# KiCad board 5x25.kicad_pcb
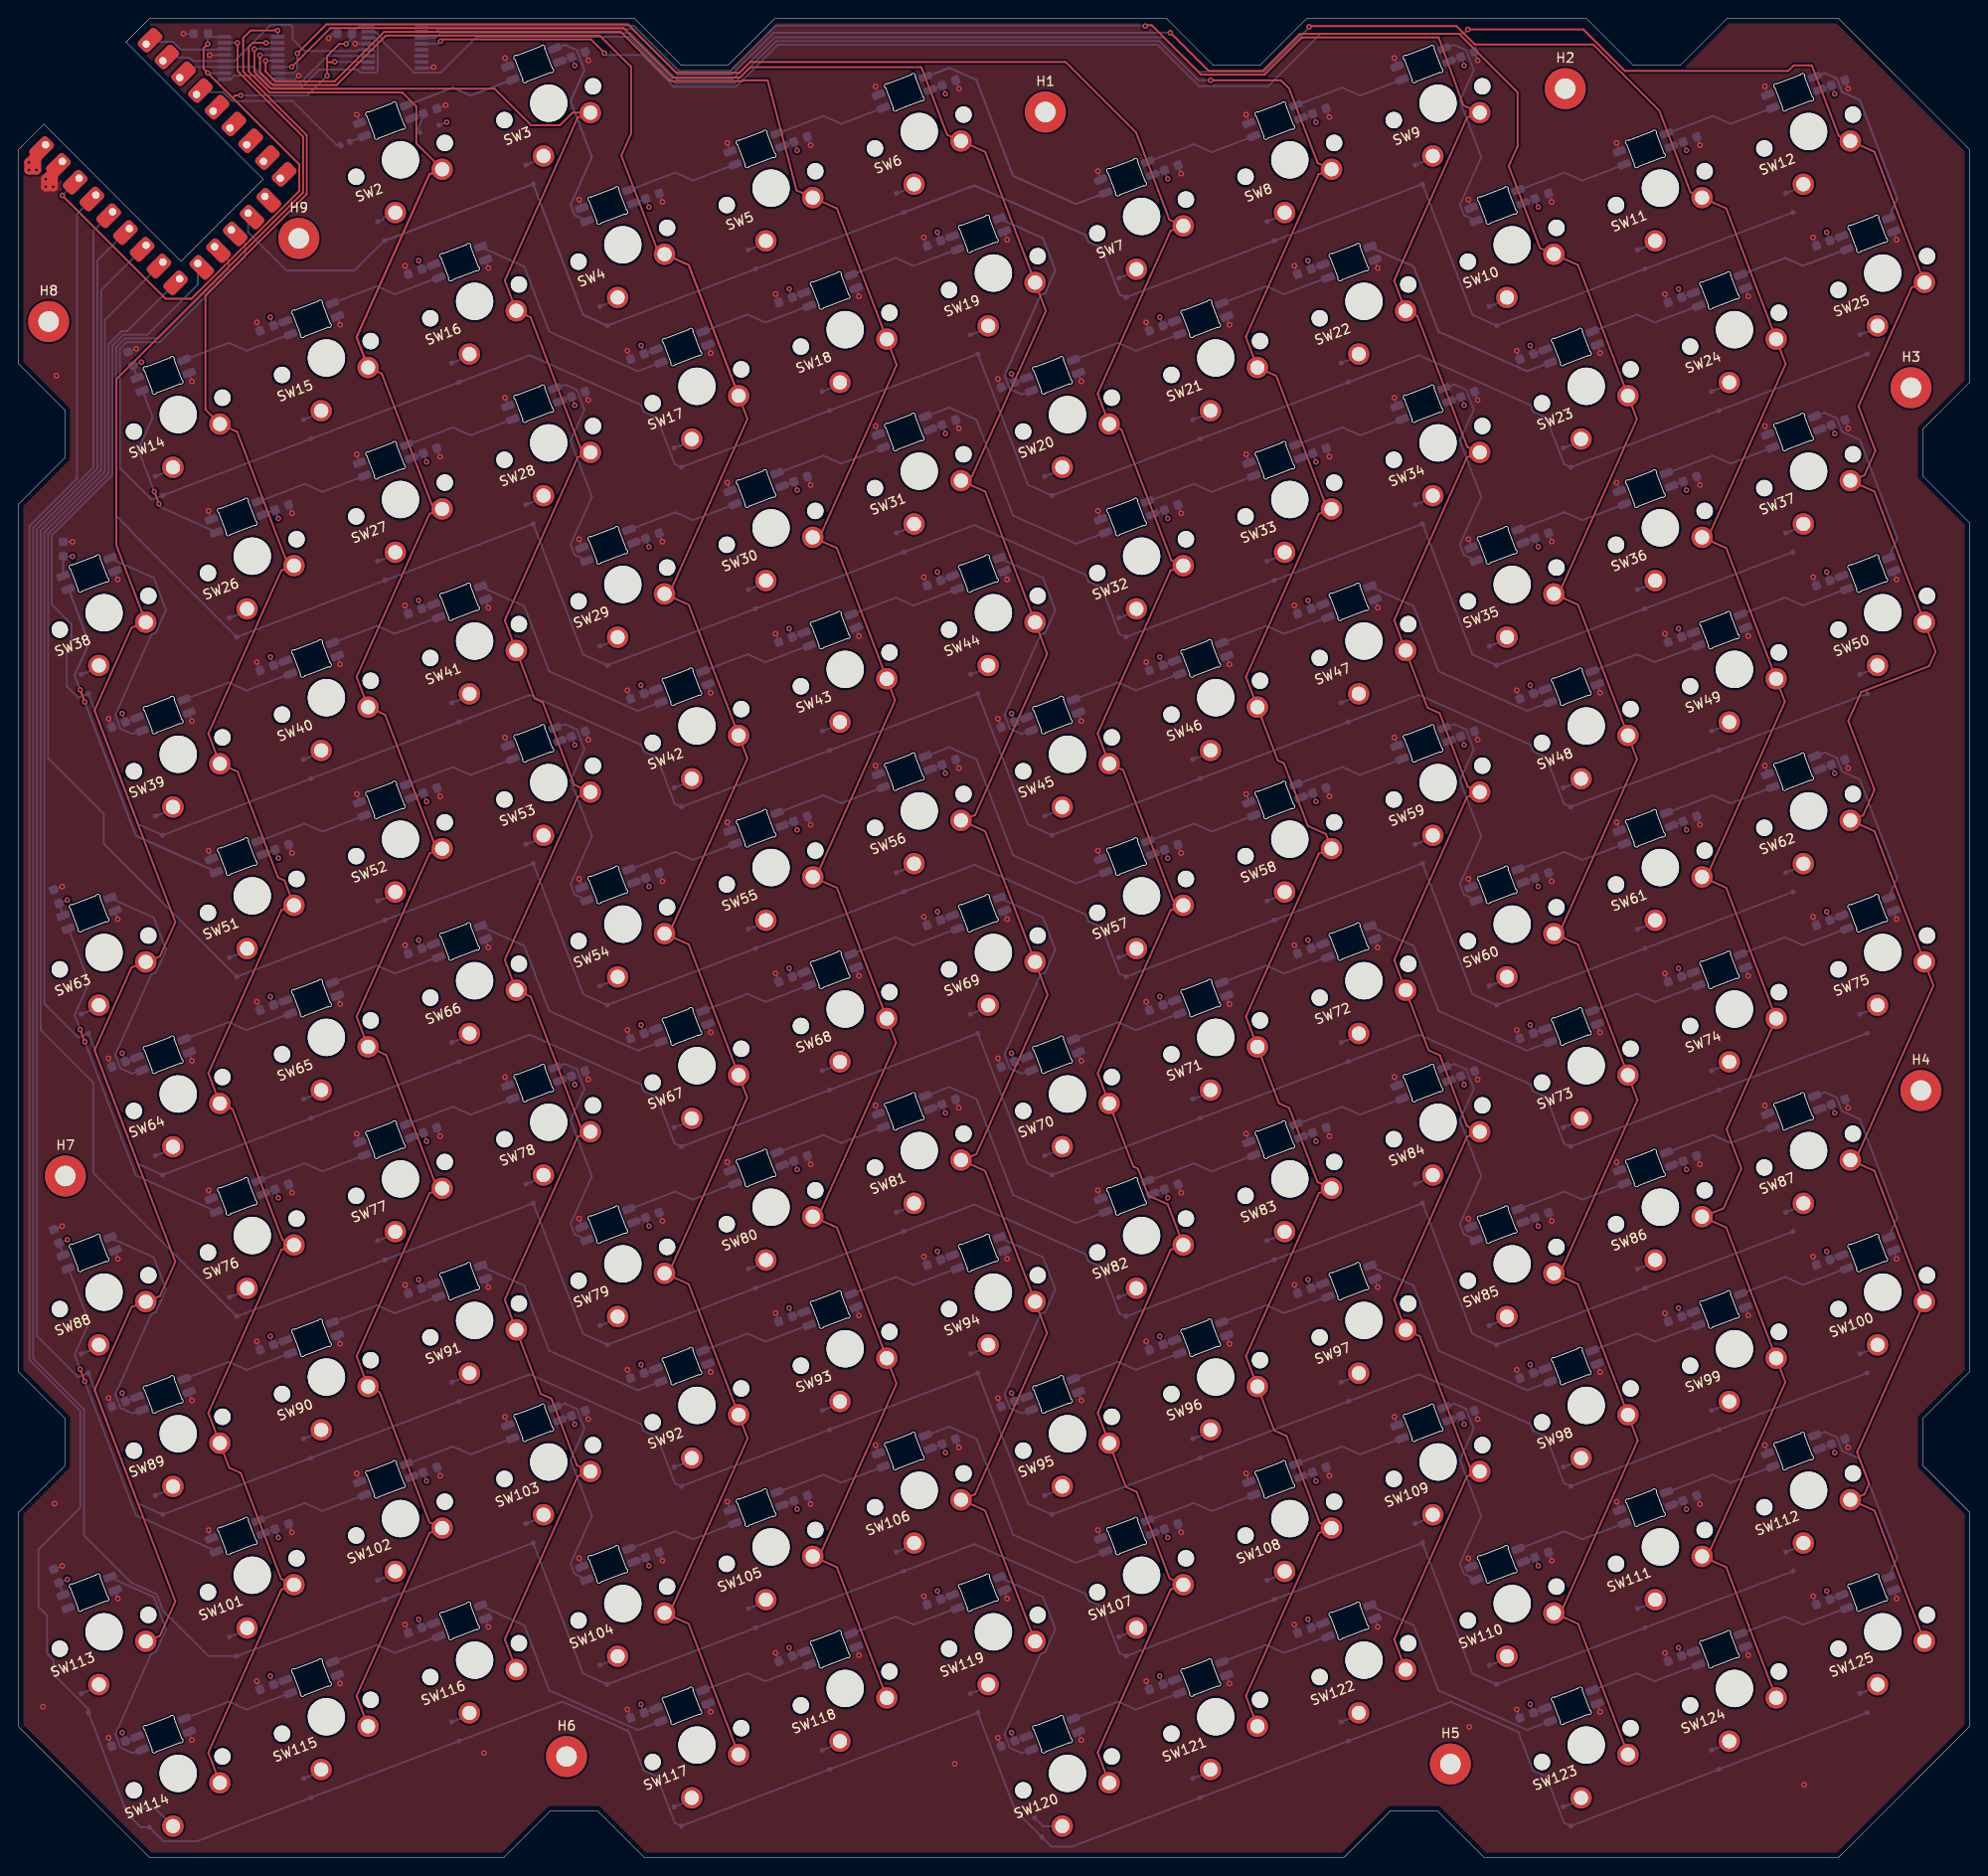
[diagram p0: board, top side]
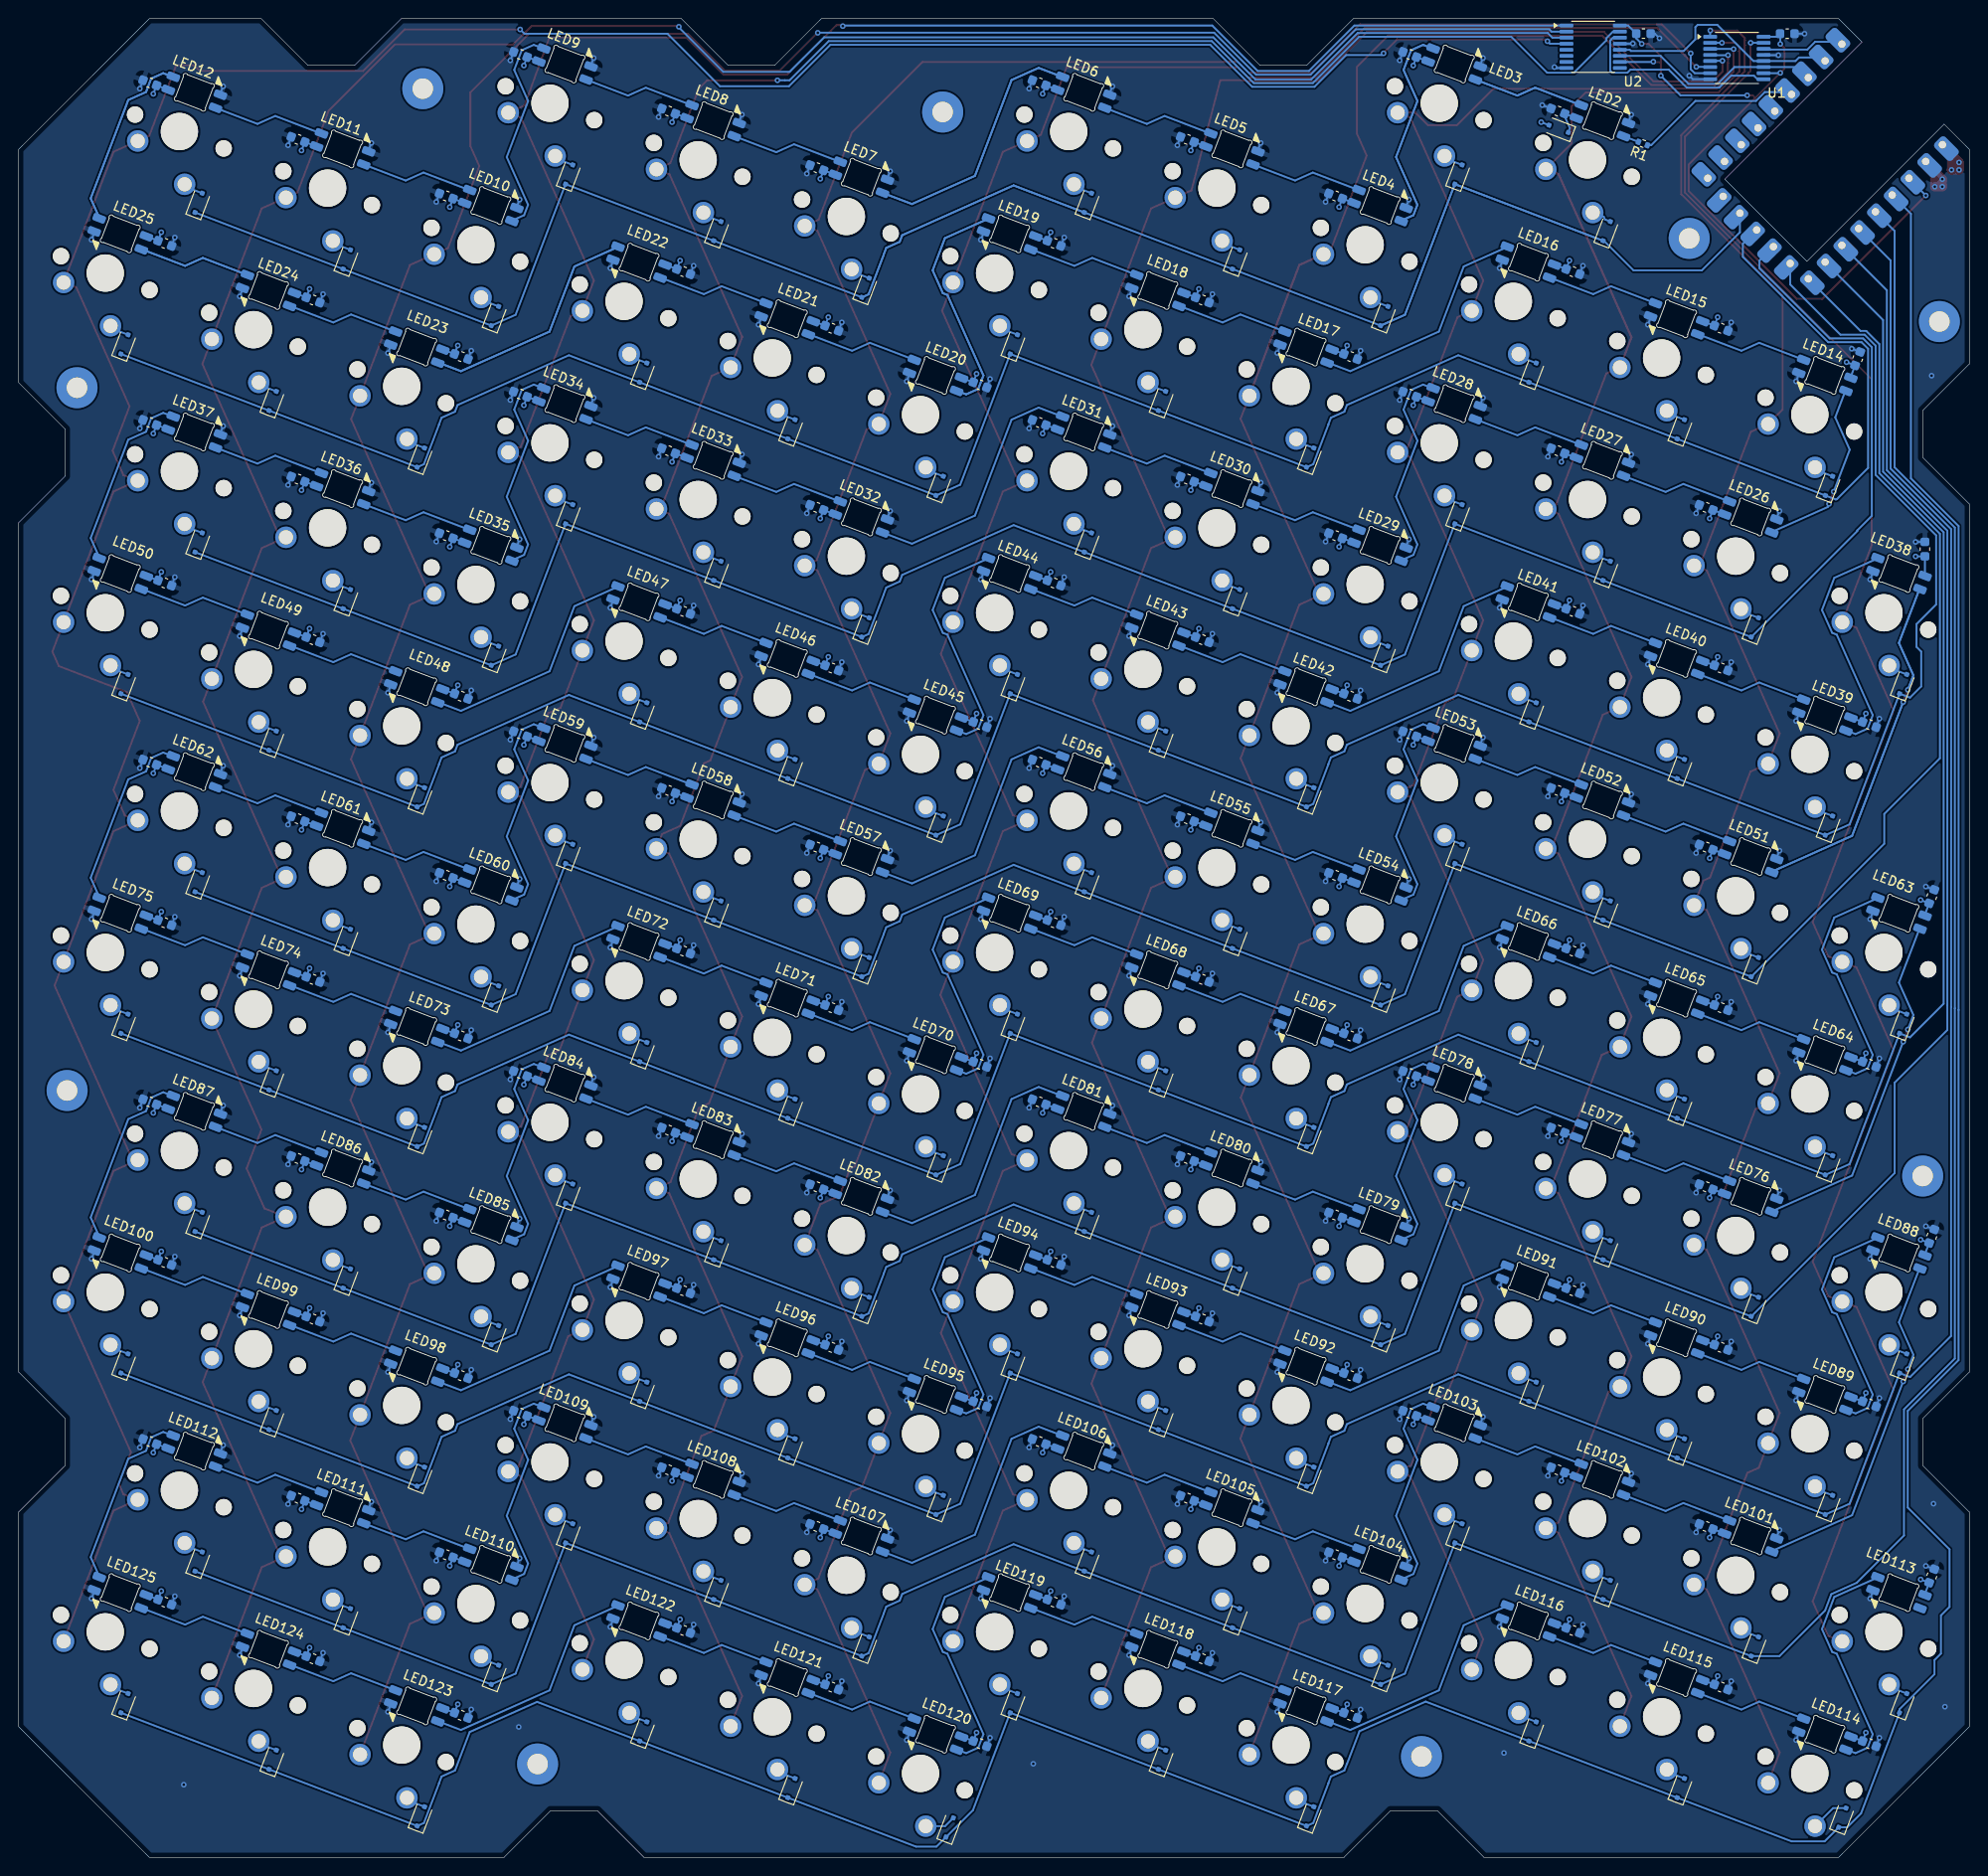
[diagram p1: board, bottom side, seen from below]

Outline 209 x 197 mm; copper layers: Top, In1.Cu, In2.Cu, Bottom. Coordinates in mm from the lower left corner of the outline.
Outline path: 0,160 0,183 2.7,185.7 17.4,171 26.2,179.8 11.5,194.5 14,197 66,197 71,192 76,192 81,197 123,197 128,192 133,192 138,197 168,197 173,192 178,192 183,197 195,197 209,183 209,158 204,153 204,148 209,143 209,52 204,47 204,42 209,37 209,14 195,0 157,0 152,5 147,5 142,0 67,0 62,5 57,5 52,0 14,0 0,14 0,37 5,42 5,47 0,52 0,145 5,150 5,155 0,160
Stack: Top 0.035mm / dielectric 0.2104mm FR4 er 4.5 / In1.Cu 0.0152mm / dielectric 1.065mm FR4 er 4.5 / In2.Cu 0.0152mm / dielectric 0.2104mm FR4 er 4.5 / Bottom 0.035mm

## Placement (name value [footprint] x y rotation side)
C2  100nF  [C_0603_1608Metric]  44.08 187.1 20.9 bottom
C3  100nF  [C_0603_1608Metric]  59.96 193.17 200.9 bottom
C4  100nF  [C_0603_1608Metric]  67.9 178 200.9 bottom
C5  100nF  [C_0603_1608Metric]  83.78 184.07 200.9 bottom
C6  100nF  [C_0603_1608Metric]  99.66 190.13 200.9 bottom
C7  100nF  [C_0603_1608Metric]  123.49 181.03 200.9 bottom
C8  100nF  [C_0603_1608Metric]  139.37 187.1 200.9 bottom
C9  100nF  [C_0603_1608Metric]  155.25 193.17 200.9 bottom
C10  100nF  [C_0603_1608Metric]  163.19 178 200.9 bottom
C11  100nF  [C_0603_1608Metric]  179.07 184.07 200.9 bottom
C12  100nF  [C_0603_1608Metric]  194.95 190.13 200.9 bottom
C14  100nF  [C_0603_1608Metric]  11.97 160.57 290.9 bottom
C15  100nF  [C_0603_1608Metric]  26.59 163.83 20.9 bottom
C16  100nF  [C_0603_1608Metric]  42.47 169.89 20.9 bottom
C17  100nF  [C_0603_1608Metric]  66.29 160.79 20.9 bottom
C18  100nF  [C_0603_1608Metric]  82.17 166.86 20.9 bottom
C19  100nF  [C_0603_1608Metric]  98.05 172.93 20.9 bottom
C20  100nF  [C_0603_1608Metric]  105.99 157.76 20.9 bottom
C21  100nF  [C_0603_1608Metric]  121.88 163.83 20.9 bottom
C22  100nF  [C_0603_1608Metric]  137.76 169.89 20.9 bottom
C23  100nF  [C_0603_1608Metric]  161.58 160.79 20.9 bottom
C24  100nF  [C_0603_1608Metric]  177.46 166.86 20.9 bottom
C25  100nF  [C_0603_1608Metric]  193.34 172.93 20.9 bottom
C26  100nF  [C_0603_1608Metric]  28.2 144.64 200.9 bottom
C27  100nF  [C_0603_1608Metric]  44.08 150.7 200.9 bottom
C28  100nF  [C_0603_1608Metric]  59.96 156.77 200.9 bottom
C29  100nF  [C_0603_1608Metric]  67.9 141.61 200.9 bottom
C30  100nF  [C_0603_1608Metric]  83.78 147.67 200.9 bottom
C31  100nF  [C_0603_1608Metric]  99.66 153.74 200.9 bottom
C32  100nF  [C_0603_1608Metric]  123.49 144.64 200.9 bottom
C33  100nF  [C_0603_1608Metric]  139.37 150.7 200.9 bottom
C34  100nF  [C_0603_1608Metric]  155.25 156.77 200.9 bottom
C35  100nF  [C_0603_1608Metric]  163.19 141.61 200.9 bottom
C36  100nF  [C_0603_1608Metric]  179.07 147.67 200.9 bottom
C37  100nF  [C_0603_1608Metric]  194.95 153.74 200.9 bottom
C38  100nF  [C_0603_1608Metric]  4.76 140.17 270 bottom
C39  100nF  [C_0603_1608Metric]  10.71 121.37 20.9 bottom
C40  100nF  [C_0603_1608Metric]  26.59 127.43 20.9 bottom
C41  100nF  [C_0603_1608Metric]  42.47 133.5 20.9 bottom
C42  100nF  [C_0603_1608Metric]  66.29 124.4 20.9 bottom
C43  100nF  [C_0603_1608Metric]  82.17 130.46 20.9 bottom
C44  100nF  [C_0603_1608Metric]  98.05 136.53 20.9 bottom
C45  100nF  [C_0603_1608Metric]  105.99 121.37 20.9 bottom
C46  100nF  [C_0603_1608Metric]  121.88 127.43 20.9 bottom
C47  100nF  [C_0603_1608Metric]  137.76 133.5 20.9 bottom
C48  100nF  [C_0603_1608Metric]  161.58 124.4 20.9 bottom
C49  100nF  [C_0603_1608Metric]  177.46 130.46 20.9 bottom
C50  100nF  [C_0603_1608Metric]  193.34 136.53 20.9 bottom
C51  100nF  [C_0603_1608Metric]  28.2 108.24 200.9 bottom
C52  100nF  [C_0603_1608Metric]  44.08 114.31 200.9 bottom
C53  100nF  [C_0603_1608Metric]  59.96 120.37 200.9 bottom
C54  100nF  [C_0603_1608Metric]  67.9 105.21 200.9 bottom
C55  100nF  [C_0603_1608Metric]  83.78 111.28 200.9 bottom
C56  100nF  [C_0603_1608Metric]  99.66 117.34 200.9 bottom
C57  100nF  [C_0603_1608Metric]  123.49 108.24 200.9 bottom
C58  100nF  [C_0603_1608Metric]  139.37 114.31 200.9 bottom
C59  100nF  [C_0603_1608Metric]  155.25 120.37 200.9 bottom
C60  100nF  [C_0603_1608Metric]  163.19 105.21 200.9 bottom
C61  100nF  [C_0603_1608Metric]  179.07 111.28 200.9 bottom
C62  100nF  [C_0603_1608Metric]  194.95 117.34 200.9 bottom
C63  100nF  [C_0603_1608Metric]  4.02 102.94 290.9 bottom
C64  100nF  [C_0603_1608Metric]  10.71 84.97 20.9 bottom
C65  100nF  [C_0603_1608Metric]  26.59 91.04 20.9 bottom
C66  100nF  [C_0603_1608Metric]  42.47 97.1 20.9 bottom
C67  100nF  [C_0603_1608Metric]  66.29 88 20.9 bottom
C68  100nF  [C_0603_1608Metric]  82.17 94.07 20.9 bottom
C69  100nF  [C_0603_1608Metric]  98.05 100.13 20.9 bottom
C70  100nF  [C_0603_1608Metric]  105.99 84.97 20.9 bottom
C71  100nF  [C_0603_1608Metric]  121.88 91.04 20.9 bottom
C72  100nF  [C_0603_1608Metric]  137.76 97.1 20.9 bottom
C73  100nF  [C_0603_1608Metric]  161.58 88 20.9 bottom
C74  100nF  [C_0603_1608Metric]  177.46 94.07 20.9 bottom
C75  100nF  [C_0603_1608Metric]  193.34 100.13 20.9 bottom
C76  100nF  [C_0603_1608Metric]  28.2 71.85 200.9 bottom
C77  100nF  [C_0603_1608Metric]  44.08 77.91 200.9 bottom
C78  100nF  [C_0603_1608Metric]  59.96 83.98 200.9 bottom
C79  100nF  [C_0603_1608Metric]  67.9 68.81 200.9 bottom
C80  100nF  [C_0603_1608Metric]  83.78 74.88 200.9 bottom
C81  100nF  [C_0603_1608Metric]  99.66 80.95 200.9 bottom
C82  100nF  [C_0603_1608Metric]  123.49 71.85 200.9 bottom
C83  100nF  [C_0603_1608Metric]  139.37 77.91 200.9 bottom
C84  100nF  [C_0603_1608Metric]  155.25 83.98 200.9 bottom
C85  100nF  [C_0603_1608Metric]  163.19 68.81 200.9 bottom
C86  100nF  [C_0603_1608Metric]  179.07 74.88 200.9 bottom
C87  100nF  [C_0603_1608Metric]  194.95 80.95 200.9 bottom
C88  100nF  [C_0603_1608Metric]  4.02 66.55 290.9 bottom
C89  100nF  [C_0603_1608Metric]  10.71 48.57 20.9 bottom
C90  100nF  [C_0603_1608Metric]  26.59 54.64 20.9 bottom
C91  100nF  [C_0603_1608Metric]  42.47 60.71 20.9 bottom
C92  100nF  [C_0603_1608Metric]  66.29 51.61 20.9 bottom
C93  100nF  [C_0603_1608Metric]  82.17 57.67 20.9 bottom
C94  100nF  [C_0603_1608Metric]  98.05 63.74 20.9 bottom
C95  100nF  [C_0603_1608Metric]  105.99 48.57 20.9 bottom
C96  100nF  [C_0603_1608Metric]  121.88 54.64 20.9 bottom
C97  100nF  [C_0603_1608Metric]  137.76 60.71 20.9 bottom
C98  100nF  [C_0603_1608Metric]  161.58 51.61 20.9 bottom
C99  100nF  [C_0603_1608Metric]  177.46 57.67 20.9 bottom
C100  100nF  [C_0603_1608Metric]  193.34 63.74 20.9 bottom
C101  100nF  [C_0603_1608Metric]  28.2 35.45 200.9 bottom
C102  100nF  [C_0603_1608Metric]  44.08 41.52 200.9 bottom
C103  100nF  [C_0603_1608Metric]  59.96 47.58 200.9 bottom
C104  100nF  [C_0603_1608Metric]  67.9 32.42 200.9 bottom
C105  100nF  [C_0603_1608Metric]  83.78 38.48 200.9 bottom
C106  100nF  [C_0603_1608Metric]  99.66 44.55 200.9 bottom
C107  100nF  [C_0603_1608Metric]  123.49 35.45 200.9 bottom
C108  100nF  [C_0603_1608Metric]  139.37 41.52 200.9 bottom
C109  100nF  [C_0603_1608Metric]  155.25 47.58 200.9 bottom
C110  100nF  [C_0603_1608Metric]  163.19 32.42 200.9 bottom
C111  100nF  [C_0603_1608Metric]  179.07 38.48 200.9 bottom
C112  100nF  [C_0603_1608Metric]  194.95 44.55 200.9 bottom
C113  100nF  [C_0603_1608Metric]  4.02 30.15 290.9 bottom
C114  100nF  [C_0603_1608Metric]  10.71 12.18 20.9 bottom
C115  100nF  [C_0603_1608Metric]  26.59 18.24 20.9 bottom
C116  100nF  [C_0603_1608Metric]  42.47 24.31 20.9 bottom
C117  100nF  [C_0603_1608Metric]  66.29 15.21 20.9 bottom
C118  100nF  [C_0603_1608Metric]  82.17 21.28 20.9 bottom
C119  100nF  [C_0603_1608Metric]  98.05 27.34 20.9 bottom
C120  100nF  [C_0603_1608Metric]  105.99 12.18 20.9 bottom
C121  100nF  [C_0603_1608Metric]  121.88 18.24 20.9 bottom
C122  100nF  [C_0603_1608Metric]  137.76 24.31 20.9 bottom
C123  100nF  [C_0603_1608Metric]  161.58 15.21 20.9 bottom
C124  100nF  [C_0603_1608Metric]  177.46 21.28 20.9 bottom
C125  100nF  [C_0603_1608Metric]  193.34 27.34 20.9 bottom
C900  100nF  [C_0603_1608Metric]  19.5 195.39 0 bottom
C901  100nF  [C_0603_1608Metric]  34.92 195.4 0 bottom
D2  1N4148WS  [D_SOD-323F]  38.85 174.24 110.9 bottom
D3  1N4148WS  [D_SOD-323F]  54.73 180.3 110.9 bottom
D4  1N4148WS  [D_SOD-323F]  62.67 165.14 110.9 bottom
D5  1N4148WS  [D_SOD-323F]  78.55 171.2 110.9 bottom
D6  1N4148WS  [D_SOD-323F]  94.43 177.27 110.9 bottom
D7  1N4148WS  [D_SOD-323F]  118.26 168.17 110.9 bottom
D8  1N4148WS  [D_SOD-323F]  134.14 174.24 110.9 bottom
D9  1N4148WS  [D_SOD-323F]  150.02 180.3 110.9 bottom
D10  1N4148WS  [D_SOD-323F]  157.96 165.14 110.9 bottom
D11  1N4148WS  [D_SOD-323F]  173.84 171.2 110.9 bottom
D12  1N4148WS  [D_SOD-323F]  189.72 177.27 110.9 bottom
D14  1N4148WS  [D_SOD-323F]  15.03 146.94 110.9 bottom
D15  1N4148WS  [D_SOD-323F]  30.91 153.01 110.9 bottom
D16  1N4148WS  [D_SOD-323F]  46.79 159.07 110.9 bottom
D17  1N4148WS  [D_SOD-323F]  70.61 149.97 110.9 bottom
D18  1N4148WS  [D_SOD-323F]  86.49 156.04 110.9 bottom
D19  1N4148WS  [D_SOD-323F]  102.37 162.11 110.9 bottom
D20  1N4148WS  [D_SOD-323F]  110.32 146.94 110.9 bottom
D21  1N4148WS  [D_SOD-323F]  126.2 153.01 110.9 bottom
D22  1N4148WS  [D_SOD-323F]  142.08 159.07 110.9 bottom
D23  1N4148WS  [D_SOD-323F]  165.9 149.97 110.9 bottom
D24  1N4148WS  [D_SOD-323F]  181.78 156.04 110.9 bottom
D25  1N4148WS  [D_SOD-323F]  197.66 162.11 110.9 bottom
D26  1N4148WS  [D_SOD-323F]  22.97 131.78 110.9 bottom
D27  1N4148WS  [D_SOD-323F]  38.85 137.84 110.9 bottom
D28  1N4148WS  [D_SOD-323F]  54.73 143.91 110.9 bottom
D29  1N4148WS  [D_SOD-323F]  62.67 128.74 110.9 bottom
D30  1N4148WS  [D_SOD-323F]  78.55 134.81 110.9 bottom
D31  1N4148WS  [D_SOD-323F]  94.43 140.87 110.9 bottom
D32  1N4148WS  [D_SOD-323F]  118.26 131.78 110.9 bottom
D33  1N4148WS  [D_SOD-323F]  134.14 137.84 110.9 bottom
D34  1N4148WS  [D_SOD-323F]  150.02 143.91 110.9 bottom
D35  1N4148WS  [D_SOD-323F]  157.96 128.74 110.9 bottom
D36  1N4148WS  [D_SOD-323F]  173.84 134.81 110.9 bottom
D37  1N4148WS  [D_SOD-323F]  189.72 140.87 110.9 bottom
D38  1N4148WS  [D_SOD-323F]  7.09 125.71 110.9 bottom
D39  1N4148WS  [D_SOD-323F]  15.03 110.55 110.9 bottom
D40  1N4148WS  [D_SOD-323F]  30.91 116.61 110.9 bottom
D41  1N4148WS  [D_SOD-323F]  46.79 122.68 110.9 bottom
D42  1N4148WS  [D_SOD-323F]  70.61 113.58 110.9 bottom
D43  1N4148WS  [D_SOD-323F]  86.49 119.64 110.9 bottom
D44  1N4148WS  [D_SOD-323F]  102.37 125.71 110.9 bottom
D45  1N4148WS  [D_SOD-323F]  110.32 110.55 110.9 bottom
D46  1N4148WS  [D_SOD-323F]  126.2 116.61 110.9 bottom
D47  1N4148WS  [D_SOD-323F]  142.08 122.68 110.9 bottom
D48  1N4148WS  [D_SOD-323F]  165.9 113.58 110.9 bottom
D49  1N4148WS  [D_SOD-323F]  181.78 119.64 110.9 bottom
D50  1N4148WS  [D_SOD-323F]  197.66 125.71 110.9 bottom
D51  1N4148WS  [D_SOD-323F]  22.97 95.38 110.9 bottom
D52  1N4148WS  [D_SOD-323F]  38.85 101.45 110.9 bottom
D53  1N4148WS  [D_SOD-323F]  54.73 107.51 110.9 bottom
D54  1N4148WS  [D_SOD-323F]  62.67 92.35 110.9 bottom
D55  1N4148WS  [D_SOD-323F]  78.55 98.41 110.9 bottom
D56  1N4148WS  [D_SOD-323F]  94.43 104.48 110.9 bottom
D57  1N4148WS  [D_SOD-323F]  118.26 95.38 110.9 bottom
D58  1N4148WS  [D_SOD-323F]  134.14 101.45 110.9 bottom
D59  1N4148WS  [D_SOD-323F]  150.02 107.51 110.9 bottom
D60  1N4148WS  [D_SOD-323F]  157.96 92.35 110.9 bottom
D61  1N4148WS  [D_SOD-323F]  173.84 98.41 110.9 bottom
D62  1N4148WS  [D_SOD-323F]  189.72 104.48 110.9 bottom
D63  1N4148WS  [D_SOD-323F]  7.09 89.31 110.9 bottom
D64  1N4148WS  [D_SOD-323F]  15.03 74.15 110.9 bottom
D65  1N4148WS  [D_SOD-323F]  30.91 80.22 110.9 bottom
D66  1N4148WS  [D_SOD-323F]  46.79 86.28 110.9 bottom
D67  1N4148WS  [D_SOD-323F]  70.61 77.18 110.9 bottom
D68  1N4148WS  [D_SOD-323F]  86.49 83.25 110.9 bottom
D69  1N4148WS  [D_SOD-323F]  102.37 89.31 110.9 bottom
D70  1N4148WS  [D_SOD-323F]  110.32 74.15 110.9 bottom
D71  1N4148WS  [D_SOD-323F]  126.2 80.22 110.9 bottom
D72  1N4148WS  [D_SOD-323F]  142.08 86.28 110.9 bottom
D73  1N4148WS  [D_SOD-323F]  165.9 77.18 110.9 bottom
D74  1N4148WS  [D_SOD-323F]  181.78 83.25 110.9 bottom
D75  1N4148WS  [D_SOD-323F]  197.66 89.31 110.9 bottom
D76  1N4148WS  [D_SOD-323F]  22.97 58.98 110.9 bottom
D77  1N4148WS  [D_SOD-323F]  38.85 65.05 110.9 bottom
D78  1N4148WS  [D_SOD-323F]  54.73 71.12 110.9 bottom
D79  1N4148WS  [D_SOD-323F]  62.67 55.95 110.9 bottom
D80  1N4148WS  [D_SOD-323F]  78.55 62.02 110.9 bottom
D81  1N4148WS  [D_SOD-323F]  94.43 68.08 110.9 bottom
D82  1N4148WS  [D_SOD-323F]  118.26 58.98 110.9 bottom
D83  1N4148WS  [D_SOD-323F]  134.14 65.05 110.9 bottom
D84  1N4148WS  [D_SOD-323F]  150.02 71.12 110.9 bottom
D85  1N4148WS  [D_SOD-323F]  157.96 55.95 110.9 bottom
D86  1N4148WS  [D_SOD-323F]  173.84 62.02 110.9 bottom
D87  1N4148WS  [D_SOD-323F]  189.72 68.08 110.9 bottom
D88  1N4148WS  [D_SOD-323F]  7.09 52.92 110.9 bottom
D89  1N4148WS  [D_SOD-323F]  15.03 37.75 110.9 bottom
D90  1N4148WS  [D_SOD-323F]  30.91 43.82 110.9 bottom
D91  1N4148WS  [D_SOD-323F]  46.79 49.89 110.9 bottom
D92  1N4148WS  [D_SOD-323F]  70.61 40.79 110.9 bottom
D93  1N4148WS  [D_SOD-323F]  86.49 46.85 110.9 bottom
D94  1N4148WS  [D_SOD-323F]  102.37 52.92 110.9 bottom
D95  1N4148WS  [D_SOD-323F]  110.32 37.75 110.9 bottom
D96  1N4148WS  [D_SOD-323F]  126.2 43.82 110.9 bottom
D97  1N4148WS  [D_SOD-323F]  142.08 49.89 110.9 bottom
D98  1N4148WS  [D_SOD-323F]  165.9 40.79 110.9 bottom
D99  1N4148WS  [D_SOD-323F]  181.78 46.85 110.9 bottom
D100  1N4148WS  [D_SOD-323F]  197.66 52.92 110.9 bottom
D101  1N4148WS  [D_SOD-323F]  22.97 22.59 110.9 bottom
D102  1N4148WS  [D_SOD-323F]  38.85 28.65 110.9 bottom
D103  1N4148WS  [D_SOD-323F]  54.73 34.72 110.9 bottom
D104  1N4148WS  [D_SOD-323F]  62.67 19.56 110.9 bottom
D105  1N4148WS  [D_SOD-323F]  78.55 25.62 110.9 bottom
D106  1N4148WS  [D_SOD-323F]  94.43 31.69 110.9 bottom
D107  1N4148WS  [D_SOD-323F]  118.26 22.59 110.9 bottom
D108  1N4148WS  [D_SOD-323F]  134.14 28.65 110.9 bottom
D109  1N4148WS  [D_SOD-323F]  150.02 34.72 110.9 bottom
D110  1N4148WS  [D_SOD-323F]  157.96 19.56 110.9 bottom
D111  1N4148WS  [D_SOD-323F]  173.84 25.62 110.9 bottom
D112  1N4148WS  [D_SOD-323F]  189.72 31.69 110.9 bottom
D113  1N4148WS  [D_SOD-323F]  7.09 16.52 110.9 bottom
D114  1N4148WS  [D_SOD-323F]  13.6 4.25 110.9 bottom
D115  1N4148WS  [D_SOD-323F]  30.91 7.42 110.9 bottom
D116  1N4148WS  [D_SOD-323F]  46.79 13.49 110.9 bottom
D117  1N4148WS  [D_SOD-323F]  70.61 4.39 110.9 bottom
D118  1N4148WS  [D_SOD-323F]  86.49 10.46 110.9 bottom
D119  1N4148WS  [D_SOD-323F]  102.37 16.52 110.9 bottom
D120  1N4148WS  [D_SOD-323F]  109.25 3.2 110.9 bottom
D121  1N4148WS  [D_SOD-323F]  126.2 7.42 110.9 bottom
D122  1N4148WS  [D_SOD-323F]  142.08 13.49 110.9 bottom
D123  1N4148WS  [D_SOD-323F]  165.9 4.39 110.9 bottom
D124  1N4148WS  [D_SOD-323F]  181.78 10.46 110.9 bottom
D125  1N4148WS  [D_SOD-323F]  197.66 16.52 110.9 bottom
D900  1N4148WS  [D_SOD-323F]  44 185.2 20.9 bottom
H1  MountingHole  [MountingHole_2.2mm_M2_Pad]  110 187 0 top
H2  MountingHole  [MountingHole_2.2mm_M2_Pad]  165.7 189.5 0 top
H3  MountingHole  [MountingHole_2.2mm_M2_Pad]  202.75 157.46 0 top
H4  MountingHole  [MountingHole_2.2mm_M2_Pad]  203.81 82.16 0 top
H5  MountingHole  [MountingHole_2.2mm_M2_Pad]  153.4 10 0 top
H6  MountingHole  [MountingHole_2.2mm_M2_Pad]  58.7 10.8 0 top
H7  MountingHole  [MountingHole_2.2mm_M2_Pad]  5 73 0 top
H8  MountingHole  [MountingHole_2.2mm_M2_Pad]  3.21 164.55 0 top
H9  MountingHole  [MountingHole_2.2mm_M2_Pad]  30.02 173.46 0 top
LED2  -  [SK6803-MINI-E]  39.31 186.08 20.9 bottom
LED3  -  [SK6803-MINI-E]  55.19 192.15 20.9 bottom
LED4  -  [SK6803-MINI-E]  63.13 176.98 20.9 bottom
LED5  -  [SK6803-MINI-E]  79.01 183.05 20.9 bottom
LED6  -  [SK6803-MINI-E]  94.89 189.11 20.9 bottom
LED7  -  [SK6803-MINI-E]  118.71 180.01 20.9 bottom
LED8  -  [SK6803-MINI-E]  134.59 186.08 20.9 bottom
LED9  -  [SK6803-MINI-E]  150.47 192.15 20.9 bottom
LED10  -  [SK6803-MINI-E]  158.41 176.98 20.9 bottom
LED11  -  [SK6803-MINI-E]  174.29 183.05 20.9 bottom
LED12  -  [SK6803-MINI-E]  190.17 189.11 20.9 bottom
LED14  -  [SK6803-MINI-E]  15.48 158.78 200.9 bottom
LED15  -  [SK6803-MINI-E]  31.37 164.85 200.9 bottom
LED16  -  [SK6803-MINI-E]  47.25 170.91 200.9 bottom
LED17  -  [SK6803-MINI-E]  71.07 161.82 200.9 bottom
LED18  -  [SK6803-MINI-E]  86.95 167.88 200.9 bottom
LED19  -  [SK6803-MINI-E]  102.83 173.95 200.9 bottom
LED20  -  [SK6803-MINI-E]  110.77 158.78 200.9 bottom
LED21  -  [SK6803-MINI-E]  126.65 164.85 200.9 bottom
LED22  -  [SK6803-MINI-E]  142.53 170.91 200.9 bottom
LED23  -  [SK6803-MINI-E]  166.35 161.82 200.9 bottom
LED24  -  [SK6803-MINI-E]  182.23 167.88 200.9 bottom
LED25  -  [SK6803-MINI-E]  198.12 173.95 200.9 bottom
LED26  -  [SK6803-MINI-E]  23.42 143.62 20.9 bottom
LED27  -  [SK6803-MINI-E]  39.31 149.68 20.9 bottom
LED28  -  [SK6803-MINI-E]  55.19 155.75 20.9 bottom
LED29  -  [SK6803-MINI-E]  63.13 140.58 20.9 bottom
LED30  -  [SK6803-MINI-E]  79.01 146.65 20.9 bottom
LED31  -  [SK6803-MINI-E]  94.89 152.72 20.9 bottom
LED32  -  [SK6803-MINI-E]  118.71 143.62 20.9 bottom
LED33  -  [SK6803-MINI-E]  134.59 149.68 20.9 bottom
LED34  -  [SK6803-MINI-E]  150.47 155.75 20.9 bottom
LED35  -  [SK6803-MINI-E]  158.41 140.58 20.9 bottom
LED36  -  [SK6803-MINI-E]  174.29 146.65 20.9 bottom
LED37  -  [SK6803-MINI-E]  190.17 152.72 20.9 bottom
LED38  -  [SK6803-MINI-E]  7.54 137.55 200.9 bottom
LED39  -  [SK6803-MINI-E]  15.48 122.39 200.9 bottom
LED40  -  [SK6803-MINI-E]  31.37 128.45 200.9 bottom
LED41  -  [SK6803-MINI-E]  47.25 134.52 200.9 bottom
LED42  -  [SK6803-MINI-E]  71.07 125.42 200.9 bottom
LED43  -  [SK6803-MINI-E]  86.95 131.49 200.9 bottom
LED44  -  [SK6803-MINI-E]  102.83 137.55 200.9 bottom
LED45  -  [SK6803-MINI-E]  110.77 122.39 200.9 bottom
LED46  -  [SK6803-MINI-E]  126.65 128.45 200.9 bottom
LED47  -  [SK6803-MINI-E]  142.53 134.52 200.9 bottom
LED48  -  [SK6803-MINI-E]  166.35 125.42 200.9 bottom
LED49  -  [SK6803-MINI-E]  182.23 131.49 200.9 bottom
LED50  -  [SK6803-MINI-E]  198.12 137.55 200.9 bottom
LED51  -  [SK6803-MINI-E]  23.42 107.22 20.9 bottom
LED52  -  [SK6803-MINI-E]  39.31 113.29 20.9 bottom
LED53  -  [SK6803-MINI-E]  55.19 119.35 20.9 bottom
LED54  -  [SK6803-MINI-E]  63.13 104.19 20.9 bottom
LED55  -  [SK6803-MINI-E]  79.01 110.25 20.9 bottom
LED56  -  [SK6803-MINI-E]  94.89 116.32 20.9 bottom
LED57  -  [SK6803-MINI-E]  118.71 107.22 20.9 bottom
LED58  -  [SK6803-MINI-E]  134.59 113.29 20.9 bottom
LED59  -  [SK6803-MINI-E]  150.47 119.35 20.9 bottom
LED60  -  [SK6803-MINI-E]  158.41 104.19 20.9 bottom
LED61  -  [SK6803-MINI-E]  174.29 110.25 20.9 bottom
LED62  -  [SK6803-MINI-E]  190.17 116.32 20.9 bottom